# Altium PCB master.PcbDoc (part 1 of 5) (continued)
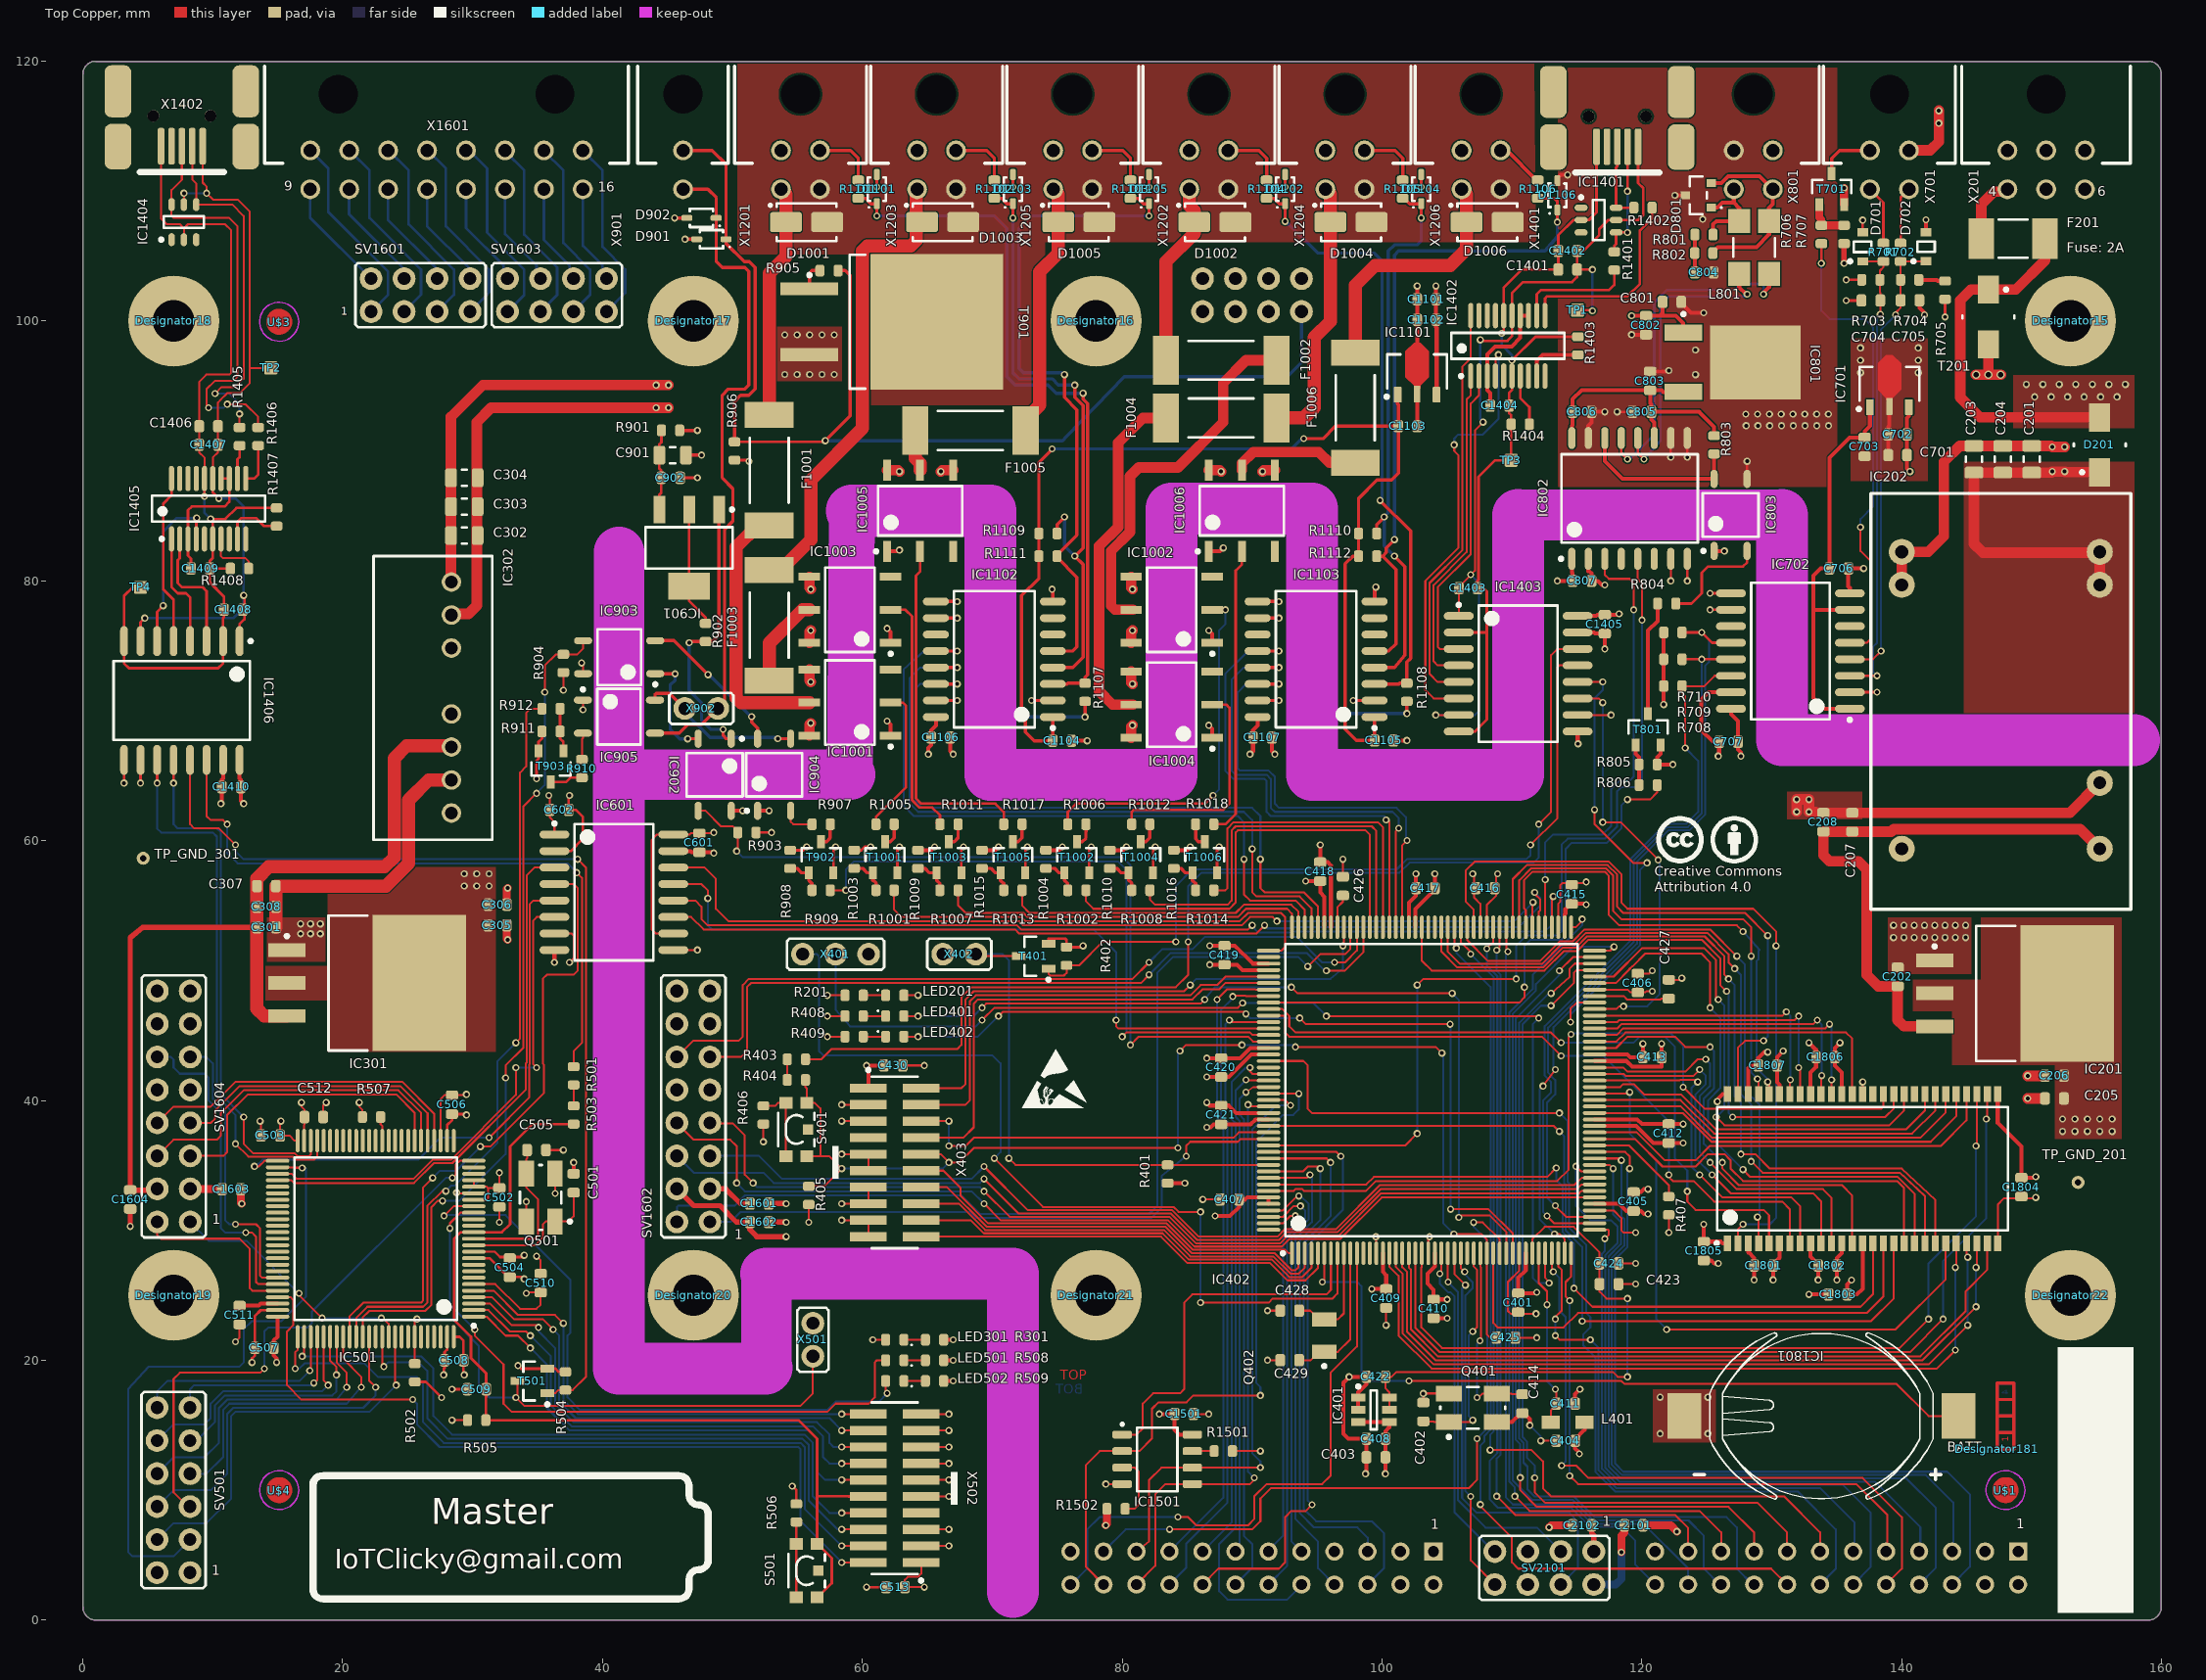
[diagram p0: Top Copper view]
## Components (designator, comment, footprint, x,y, rotation, side; value= is the part's Value field where it differs from the comment) (continued)
IC1406 "ADUM3401CRWZ" ADI-RW-16_N 7.62,70.788 r270 top locked
IC1501 "M95M02-DRMN6TP" SOIC127P600X175-8N 82.709,12.368 r0 top locked
IC1801 "IS42S16400J-7TLI" TSOP80P1180X120-54N 137.001,34.751 r90 top locked
JP2201 "SLW-112-01-T-D" SMTC-SLW-112-01-X-D 103.97,5.269 r180 bottom locked
JP2202 "SLW-112-01-T-D" SMTC-SLW-112-01-X-D 148.972,5.272 r180 bottom locked
L401 "BLM21AG471SN1J" MURA-BLM21-H1-CHIP-2_V 114.3,15.225 r180 top locked
L801 "51uH" B82789C0/S0 128.651,105.664 r270 top locked
LED201 "orange" LEDC1608X07N 62.5,48.086 r0 top locked
LED301 "orange" LEDC1608X07N 62.5,21.575 r180 top locked
LED401 "red" LEDC1608X07N 62.5,46.499 r0 top locked
LED402 "green" LEDC1608X07N 62.5,44.911 r0 top locked
LED501 "red" LEDC1608X07N 62.5,19.988 r180 top locked
LED502 "green" LEDC1608X07N 62.5,18.4 r180 top locked
Q401 "7B-8.000MAAJ-T" TXC-7B-4_V 106.998,16.336 r0 top locked
Q402 "ABS07-32.768KHz-T" ABRA-ABS07-2_V 95.557,21.894 r90 top locked
Q501 "7B-8.000MAAJ-T" TXC-7B-4_V 35.242,32.529 r90 top locked
R201 "130R" RESC1608X05N 59.372,48.086 r0 top locked
R301 "130R" RESC1608X05N 65.564,21.575 r0 top locked
R401 "10k" RESC1608X05N 83.502,34.334 r90 top locked
R402 "10k" RESC1608X05N 75.724,51.103 r90 top locked
R403 "0R" RESC1608X05N 54.927,43.165 r0 top locked
R404 "680R" RESC1608X05N 54.927,41.578 r180 top locked
R405 "10k" RESC1608X05N 55.88,32.688 r270 top locked
R406 "0R" RESC1608X05N 52.387,38.879 r90 top locked
R407 "10k" RESC1608X05N 122.079,31.894 r90 top locked
R408 "130R" RESC1608X05N 59.372,46.499 r0 top locked
R409 "130R" RESC1608X05N 59.372,44.911 r0 top locked
R501 "0R" RESC1608X05N 37.782,41.895 r90 top locked
R502 "10k" RESC1608X05N 25.559,19.035 r90 top locked
R503 "680R" RESC1608X05N 37.782,38.879 r90 top locked
R504 "10k" RESC1608X05N 37.148,18.4 r90 top locked
R505 "10k" RESC1608X05N 30.321,15.384 r180 top locked
R506 "0R" RESC1608X05N 54.927,8.24 r270 top locked
R507 "10k" RESC1608X05N 22.225,38.72 r0 top locked
R508 "130R" RESC1608X05N 65.564,19.988 r180 top locked
R509 "130R" RESC1608X05N 65.564,18.4 r180 top locked
R701 "1k5" RESC1608X05N 138.608,105.298 r90 top locked
R702 "1k5" RESC1608X05N 139.929,105.3 r90 top locked
R703 "680R" RESC1608X05N 137.636,103.173 r0 top
R704 "680R" RESC1608X05N 140.629,103.173 r180 top locked
R705 "0R" RESC1608X05N 143.351,102.379 r90 top locked
R706 "10R" RESC1608X05N 133.826,106.665 r90 top locked
R707 "10k" RESC1608X05N 135.572,106.665 r270 top locked
R708 "10k" RESC1608X05N 122.396,71.899 r0 top locked
R709 "10k" RESC1608X05N 122.396,73.963 r0 top locked
R710 "10k" RESC1608X05N 122.396,76.026 r0 top locked
R801 "62R" RESC1608X05N 124.79,106.655 r180 top
R802 "62R" RESC1608X05N 124.777,105.232 r0 top
R803 "10k" RESC1608X05N 125.571,90.473 r270 top locked
R804 "430R" RESC1608X05N 121.92,78.249 r180 top locked
R805 "10k" RESC1608X05N 120.491,65.866 r0 top locked
R806 "10R" RESC1608X05N 120.491,64.279 r0 top locked
R901 "10R" RESC1608X05N 45.244,91.584 r0 top
R902 "120R" RESC1608X05N 47.942,76.026 r90 top locked
R903 "10k" RESC1608X05N 51.117,60.628 r180 top locked
R904 "10k" RESC1608X05N 36.989,73.645 r90 top locked
R905 "10R" RESC1608X05N 57.437,103.886 r180 top locked
R906 "330R" RESC1608X05N 50.165,89.996 r90 top locked
R907 "430R" RESC1608X05N 56.832,61.263 r180 top locked
R908 "10k" RESC1608X05N 54.451,58.564 r90 top locked
R909 "10R" RESC1608X05N 56.832,56.183 r0 top locked
R910 "430R" RESC1608X05N 38.417,65.549 r90 top locked
R911 "10k" RESC1608X05N 36.036,68.406 r180 top locked
R912 "10R" RESC1608X05N 36.036,70.153 r180 top locked
R1001 "10R" RESC1608X05N 61.754,56.183 r0 top locked
R1002 "10R" RESC1608X05N 76.517,56.183 r0 top locked
R1003 "10k" RESC1608X05N 59.372,58.564 r270 top locked
R1004 "10k" RESC1608X05N 74.136,58.564 r270 top locked
R1005 "430R" RESC1608X05N 61.754,61.263 r180 top locked
R1006 "430R" RESC1608X05N 76.517,61.263 r180 top locked
R1007 "10R" RESC1608X05N 66.675,56.183 r0 top locked
R1008 "10R" RESC1608X05N 81.439,56.183 r0 top locked
R1009 "10k" RESC1608X05N 64.294,58.564 r270 top locked
R1010 "10k" RESC1608X05N 79.057,58.564 r270 top locked
R1011 "430R" RESC1608X05N 66.675,61.263 r180 top locked
R1012 "430R" RESC1608X05N 81.439,61.263 r180 top locked
R1013 "10R" RESC1608X05N 71.596,56.183 r0 top locked
R1014 "10R" RESC1608X05N 86.36,56.183 r0 top locked
R1015 "10k" RESC1608X05N 69.215,58.564 r270 top locked
R1016 "10k" RESC1608X05N 83.979,58.564 r270 top locked
R1017 "430R" RESC1608X05N 71.596,61.263 r180 top locked
R1018 "430R" RESC1608X05N 86.36,61.263 r0 top locked
R1101 "47R" RESC1608X05N 59.69,110.158 r270 top locked
R1102 "47R" RESC1608X05N 70.168,110.158 r270 top locked
R1103 "47R" RESC1608X05N 80.645,110.158 r270 top locked
R1104 "47R" RESC1608X05N 91.123,110.158 r90 top locked
R1105 "47R" RESC1608X05N 101.6,110.158 r90 top locked
R1106 "47R" RESC1608X05N 111.998,110.158 r90 top locked
R1107 "10k" RESC1608X05N 77.153,71.423 r270 top locked
R1108 "10k" RESC1608X05N 101.917,71.423 r270 top locked
R1109 "10k" RESC1608X05N 74.295,83.646 r180 top locked
R1110 "10k" RESC1608X05N 98.901,83.646 r180 top locked
R1111 "10k" RESC1608X05N 74.295,81.9 r180 top locked
R1112 "10k" RESC1608X05N 98.901,81.9 r180 top locked
R1401 "27R" RESC1608X05N 117.885,104.627 r90 top locked
R1402 "27R" RESC1608X05N 120.095,108.729 r180 top locked
R1403 "0R" RESC1608X05N 115.094,98.093 r90 top locked
R1404 "0R" RESC1608X05N 110.649,92.06 r180 top locked
R1405 "27R" RESC1608X05N 12.065,91.108 r90 top locked
R1406 "27R" RESC1608X05N 13.494,91.108 r90 top locked
R1407 "0R" RESC1608X05N 14.922,84.916 r90 top locked
R1408 "0R" RESC1608X05N 12.065,80.948 r180 top locked
R1501 "10k" RESC1608X05N 87.789,13.003 r0 top locked
R1502 "10k" RESC1608X05N 79.534,8.558 r180 top locked
S401 "KMR221GLFS" KMR2_Series 54.927,37.768 r270 top locked
S501 "KMR221GLFS" KMR2_Series 55.721,3.795 r270 top locked
SV501 "samtec_TSW-106-07-G-D" Pinheader_2.54_2x6 6.985,10 r90 top locked
SV901 "samtec_SLW-104-01-G-D" SLW_104_01_G_D 90,102 r180 bottom
SV1601 "samtec_TSW-104-07-G-D" Pinheader_2.54_2x4 26,102 r0 top locked
SV1602 "samtec_TSW-108-07-G-D" Pinheader_2.54_2x8 47,39.54 r90 top locked
SV1603 "samtec_TSW-104-07-G-D" Pinheader_2.54_2x4 36.5,102 r0 top locked
SV1604 "samtec_TSW-108-07-G-D" Pinheader_2.54_2x8 7,39.54 r90 top locked
SV2101 "samtec_TSW-104-07-G-D" Pinheader_2.54_2x4 112.5,4 r180 top locked
T201 "TISP4040H1BJR-S" SMB 146.685,100.315 r270 top locked
T401 "BSS84P" INF-PG-SOT23_N 73.184,51.103 r180 top locked
T501 "BSS84P" INF-PG-SOT23_N 34.608,18.4 r180 top locked
T701 "IRLML0100TRPBF" SOT95P237X110-3N 134.62,110.158 r90 top locked
T801 "IRLML0100TRPBF" SOT95P237X110-3N 120.491,68.565 r90 top locked
T901 "BUK964R8-60E,118" NXP-SOT404_M 62.23,99.949 r0 top
T902 "IRLML0100TRPBF" SOT95P237X110-3N 56.832,58.723 r90 top locked
T903 "IRLML0100TRPBF" SOT95P237X110-3N 36.036,65.708 r270 top locked
T1001 "IRLML0100TRPBF" SOT95P237X110-3N 61.754,58.723 r90 top locked
T1002 "IRLML0100TRPBF" SOT95P237X110-3N 76.517,58.723 r90 top locked
T1003 "IRLML0100TRPBF" SOT95P237X110-3N 66.675,58.723 r90 top locked
T1004 "IRLML0100TRPBF" SOT95P237X110-3N 81.439,58.723 r90 top locked
T1005 "IRLML0100TRPBF" SOT95P237X110-3N 71.596,58.723 r90 top locked
T1006 "IRLML0100TRPBF" SOT95P237X110-3N 86.36,58.723 r90 top locked
TP1 "Testpoint_Square" Testpoint_S1 115.062,100.838 r90 top locked
TP2 "Testpoint_Square" Testpoint_S1 14.478,96.393 r90 top locked
TP3 "Testpoint_Square" Testpoint_S1 109.949,89.281 r90 top
TP4 "Testpoint_Square" Testpoint_S1 4.445,79.502 r90 top locked
TP_GND_201 "Testpoint_Round" Testpoint_D1V 153.587,33.686 r0 top locked
TP_GND_301 "Testpoint_Round" Testpoint_D1V 4.65,58.645 r270 top locked
U$1 "" FIDUCIAL_1MM 148,10 r0 top
U$3 "" FIDUCIAL_1MM 15.113,99.949 r0 top
U$4 "" FIDUCIAL_1MM 15.113,10 r0 top
X201 "molex_microfit_3_03x2_THT" MOLEX_MICROFIT_03x2_THT 151.13,117.46 r0 top
X401 "samtec_TSW-103-07-G-S" Pinheader_2.54_3 57.944,51.261 r180 top locked
X402 "samtec_TSW-102-07-G-S" Pinheader_2.54_2 67.469,51.261 r0 top
X403 "FTSH-110-01-L-DV-007-K-P" CORTEX_DEBUG_20_PIN 62.5,35.228 r0 top locked
X501 "samtec_TSW-102-07-G-S" Pinheader_2.54_2 56.197,21.575 r270 top
X502 "FTSH-110-01-L-DV-007-K-P" CORTEX_DEBUG_20_PIN 62.5,10.145 r180 top locked
X701 "molex_microfit_3_02x2_THT" MOLEX_MICROFIT_02x2_THT 139.065,117.46 r0 top
X801 "molex_microfit_3_02x2_THT" MOLEX_MICROFIT_02x2_THT 128.588,117.46 r0 top
X901 "molex_microfit_3_01x2_THT" MOLEX_MICROFIT_01x2_THT 46.2,117.46 r0 top
X902 "samtec_TSW-102-07-G-S" Pinheader_2.54_2 47.61,70.177 r180 top
X1201 "molex_microfit_3_02x2_THT" MOLEX_MICROFIT_02x2_THT 55.245,117.46 r0 top
X1202 "molex_microfit_3_02x2_THT" MOLEX_MICROFIT_02x2_THT 86.677,117.46 r0 top
X1203 "molex_microfit_3_02x2_THT" MOLEX_MICROFIT_02x2_THT 65.722,117.46 r0 top
X1204 "molex_microfit_3_02x2_THT" MOLEX_MICROFIT_02x2_THT 97.155,117.46 r0 top
X1205 "molex_microfit_3_02x2_THT" MOLEX_MICROFIT_02x2_THT 76.2,117.46 r0 top
X1206 "molex_microfit_3_02x2_THT" MOLEX_MICROFIT_02x2_THT 107.632,117.46 r0 top
X1401 "67503-1020" MOLX-67503-1020_V 119.72,113.423 r270 top
X1402 "67503-1020" MOLX-67503-1020_V 9.225,113.464 r270 top
X1601 "molex_microfit_3_08x2_THT" MOLEX_MICROFIT_08x2_THT 28,117.46 r0 top locked

## Footprints (in the part's own frame and the unit in brackets; to place one, negate y for a bottom-side part, rotate by r counter-clockwise, add the part's x,y. Pads: shape width x height; smd on the part's side, far side on the other; paste and mask are expansions set on the pad)
ABRA-ABS07-2_V [mm] "Hand Drawn, 2-Leads, Body 3.2x1.5mm, Pitch 2.5mm"
  rect 1.1x1.9 smd: 1(-1.25,0) 2(1.25,0)
  silkscreen extent -2.47,-0.13 -2.23,0.12, body extent -1.6,-0.75 1.6,0.75, height 0.9
ADI-RJ-6_N [mm] "SOT23, 6-Leads, Body 2.9x1.6mm, Pitch 0.95mm, IPC Medium Density"
  rect 1.1x0.6 smd: 1(-1.2,0.95) 2(-1.2,0) 3(-1.2,-0.95) 4(1.2,-0.95) 5(1.2,0) 6(1.2,0.95)
  silkscreen extent -1.32,-1.5 0.25,1.92, body extent -0.85,-1.5 0.85,1.5, height 1.45
ADI-RW-16_L [mm] "SOIC, 16-Leads, Body 10.3x7.5mm, Pitch 1.27mm, IPC High Density"
  oval 2x0.6 smd: 1(-4.5,4.445) 2(-4.5,3.175) 3(-4.5,1.905) 4(-4.5,0.635) 5(-4.5,-0.635) 6(-4.5,-1.905) 7(-4.5,-3.175) 8(-4.5,-4.445) 9(4.5,-4.445) 10(4.5,-3.175) 11(4.5,-1.905) 12(4.5,-0.635) 13(4.5,0.635) 14(4.5,1.905) 15(4.5,3.175) 16(4.5,4.445)
  silkscreen extent -4.63,-5.25 3.1,5.42, body extent -3.8,-5.25 3.8,5.25, height 2.65
ADI-RW-16_N [mm] "SOIC, 16-Leads, Body 10.3x7.5mm, Pitch 1.27mm, IPC Medium Density"
  oval 2.3x0.6 smd: 1(-4.575,4.445) 2(-4.575,3.175) 3(-4.575,1.905) 4(-4.575,0.635) 5(-4.575,-0.635) 6(-4.575,-1.905) 7(-4.575,-3.175) 8(-4.575,-4.445) 9(4.575,-4.445) 10(4.575,-3.175) 11(4.575,-1.905) 12(4.575,-0.635) 13(4.575,0.635) 14(4.575,1.905) 15(4.575,3.175) 16(4.575,4.445)
  silkscreen extent -4.7,-5.25 3.03,5.42, body extent -3.8,-5.25 3.8,5.25, height 2.65
B82789C0/S0 [mm] "SIMDAD 1812, common-mode chokes"
  rect 1.85x1.7 smd: 1(-2.025,1.15) 2(2.025,1.15) 3(2.025,-1.15) 4(-2.025,-1.15)
  silkscreen extent -0.7,-1.6 0.7,1.6, body extent -2.6,-1.6 2.6,1.6, height 3
CAPC1608X08N [mm] "Chip Capacitor, 2-Leads, Body 1,60x0,80mm, IPC Medium Density"
  rrect50% 0.75x0.95 smd: 1(-0.725,0) 2(0.725,0)
  body extent -0.85,-0.45 0.85,0.45, height 0.8
CAPC2012X14N [mm] "Chip Capacitor, 2-Leads, Body 2,00x1,25mm, IPC Medium Density"
  rrect40% 0.9x1.45 smd: 1(-1.025,0) 2(1.025,0)
  silkscreen extent -0.2,-0.63 0.2,0.63, body extent -1.1,-0.72 1.1,0.72, height 1.45
CORTEX_DEBUG_20_PIN [mm] "ARM Cortex Debug Connector 20 Pin"
  rect 2.8x0.7 smd: 1(-2.035,5.715) 2(2.035,5.715) 3(-2.035,4.445) 4(2.035,4.445) 5(-2.035,3.175) 6(2.035,3.175) 7(-2.035,1.905) 8(2.035,1.905) 9(-2.035,0.635) 10(2.035,0.635) 11(-2.035,-0.635) 12(2.035,-0.635) 13(-2.035,-1.905) 14(2.035,-1.905) 15(-2.035,-3.175) 16(2.035,-3.175) 17(-2.035,-4.445) 18(2.035,-4.445) 19(-2.035,-5.715) 20(2.035,-5.715)
  silkscreen extent -4.83,-6.6 1.78,7.24, body extent -2.92,-6.35 2.92,6.35, height 6.98
DIOM4326X24N [mm] "Molded Diode, 2-Leads, Body 4,30x2,60mm, IPC Medium Density, SMA, DO-214AC"
  rrect25% 2.45x1.55 smd: 1(-1.6,0) 2(1.575,0)
  silkscreen extent -2.9,-1.45 2.3,1.45, body extent -2.52,-1.45 2.52,1.45, height 2.4
DPAK228P950X240-3N [mm] "D-PAK, 3-Pads, Body 6,25x6,76mm (max), IPC Medium Density"
  rect 2.9x1.25 smd: 1(-3.8,2.28) 3(-3.8,-2.28)
  rect 7x5.7 smd: 2(1.75,0)
  silkscreen extent -3.91,3.58 -3.66,3.83, body extent -4.25,-3.4 5.25,3.4, height 2.4
FIDUCIAL_1MM [mm] "FIDUCIAL_1MM"
  Top Copper circle w1: c0,0 r0.5
  Top Copper keep-out circle w0.1: c0,0 r1.5
Hole_3.2_Iso#1 [mm]
  round 7 hole 3.2: Hole_3.2_4(0,0)
Hole_3.2_Iso#2 [mm]
  round 7 hole 3.2: Hole_3.2_3(0,0)
Hole_3.2_Iso#3 [mm]
  round 7 hole 3.2: Hole_3.2_2(0,0)
Hole_3.2_Iso#4 [mm]
  round 7 hole 3.2: Hole_3.2_1(0,0)
Hole_3.2_Iso#5 [mm]
  round 7 hole 3.2: Hole_3.2_5(0,0)
Hole_3.2_Iso#6 [mm]
  round 7 hole 3.2: Hole_3.2_6(0,0)
Hole_3.2_Iso#7 [mm]
  round 7 hole 3.2: Hole_3.2_7(0,0)
Hole_3.2_Iso#8 [mm]
  round 7 hole 3.2: Hole_3.2_8(0,0)
INF-PG-SOT23_N [mm] "SOT23, 3-Leads, Body 2.9x1.3mm, Pitch 0.95mm, IPC Medium Density"
  rect 1.05x0.6 smd: 1(-1.15,0.95) 2(-1.15,-0.95) 3(1.15,0)
  silkscreen extent -1.28,-1.5 0.7,1.92, body extent -0.7,-1.5 0.7,1.5, height 1.1
KMR2_Series [mil] "Microminiature Tact Switch for SMT"
  rect 35.43x39.37 smd: 1(-80.71,-31.5) 2(80.71,-31.5) 3(80.71,31.5) 4(-80.71,31.5)
  rect 31.5x31.5 smd: 5(0,35.43)
  silkscreen extent -50,-55 50,55, body extent -91,-55 91,55, height 76
KTT0003B_N [mm] "D2-PAK, 3-Leads, Body 10.41x8.89mm, Pitch 2.54mm, IPC Medium Density"
  rect 2.85x1.05 smd: 1(-6.2,2.54) 2(-6.2,0) 3(-6.2,-2.54)
  rect 7.2x10.5 smd: 4(4,0)
  silkscreen extent -6.32,-5.2 0,5.2, body extent -6.78,-5.2 7.57,5.2, height 4.64
layermarker4 [mm] "Marker for a 4 layerstack"
  Top Copper lines w0.254: 1.27,0 2.54,0 ; 1.27,0 0,0 0,-1.27 1.27,-1.27 ; 1.27,0 1.27,-1.27 ; 2.54,0 3.81,0 ; 2.54,0 2.54,-1.27 ; 3.81,0 5.08,0 5.08,-1.27 3.81,-1.27 ; 3.81,0 3.81,-1.27 ; 1.27,-1.27 2.54,-1.27 ; 2.54,-1.27 3.81,-1.27
  Signal Layer 1 lines w0.254: 1.27,0 1.27,-1.27 ; 1.27,0 0,0 0,-1.27 1.27,-1.27 ; 1.27,0 2.54,0 ; 2.54,0 3.81,0 ; 2.54,0 2.54,-1.27 ; 3.81,0 3.81,-1.27 ; 3.81,0 5.08,0 5.08,-1.27 3.81,-1.27 ; 1.27,-1.27 2.54,-1.27 ; 2.54,-1.27 3.81,-1.27
  Signal Layer 2 lines w0.254: 1.27,0 1.27,-1.27 ; 1.27,0 2.54,0 ; 1.27,0 0,0 0,-1.27 1.27,-1.27 ; 2.54,0 3.81,0 ; 2.54,0 2.54,-1.27 ; 3.81,0 3.81,-1.27 ; 3.81,0 5.08,0 5.08,-1.27 3.81,-1.27 ; 1.27,-1.27 2.54,-1.27 ; 2.54,-1.27 3.81,-1.27
  Bot Copper lines w0.254: 1.27,0 1.27,-1.27 ; 1.27,0 2.54,0 ; 1.27,0 0,0 0,-1.27 1.27,-1.27 ; 2.54,0 3.81,0 ; 2.54,0 2.54,-1.27 ; 3.81,0 3.81,-1.27 ; 3.81,0 5.08,0 5.08,-1.27 3.81,-1.27 ; 1.27,-1.27 2.54,-1.27 ; 2.54,-1.27 3.81,-1.27
LEDC1608X07N [mm] "LED, 2-Leads, Body 1,60x0,80mm, IPC Medium Density"
  rrect50% 0.7x0.9 smd: 1(-0.7,0) 2(0.7,0)
  silkscreen extent -1.35,0.35 -1.25,0.45, body extent -0.8,-0.4 0.8,0.4, height 0.7
LITTLEFUSE_452_454 [mm] "Littlefuse 452/454 Series Fuse, 2-Leads, Body 6,10x2,69mm, IPC Medium Density"
  rect 1.96x3.15 smd: 1(-2.45,0) 2(2.45,0)
  silkscreen extent -1.1,-1.47 1.1,1.48, body extent -3.15,-1.47 3.15,1.47, height 2.94
MOLEX_MICROFIT_01x2_THT [mil] "Micro-Fit 3.0 Right Angle Header, 3.00mm Pitch, Dual Row, 2 Circuits, with Snap-in Plastic Peg PCB Lock, Tin, Glow Wire Capable, Black, 43045-0200"
  round 60 hole 40: 1(0,-170) 2(0,-287.99)
  round 39.37 hole 117.99 unplated paste+0 mask+4: ""(0,0)
  silkscreen extent -137,-209 137,85, body extent -141,-301 141,181, height 345
MOLEX_MICROFIT_02x2_THT [mil] "Micro-Fit 3.0 Right Angle Header, 3.00mm Pitch, Dual Row, 4 Circuits, with Snap-in Plastic Peg PCB Lock, Tin, Glow Wire Capable, Black, 43045-0400"
  round 60 hole 40: 1(-59.02,-170) 2(59.02,-170) 3(-59.02,-287.99) 4(59.02,-287.99)
  round 39.37 hole 117.99 unplated paste+0 mask+4: ""(0,0)
  silkscreen extent -200,-209 200,85, body extent -200,-301 200,181, height 345
MOLEX_MICROFIT_03x2_THT [mil] "Micro-Fit 3.0 Right Angle Header, 3.00mm Pitch, Dual Row, 6 Circuits, with Snap-in Plastic Peg PCB Lock, Tin, Glow Wire Capable, Black, 43045-0600"
  round 60 hole 40: 1(-117.48,-170) 2(0,-170) 3(117.48,-170) 4(-117.48,-287.99) 5(0,-287.99) 6(117.48,-287.99)
  round 39.37 hole 117.99 unplated paste+0 mask+4: ""(0,0)
  silkscreen extent -256,-209 255,85, body extent -259,-301 259,181, height 345
MOLEX_MICROFIT_08x2_THT [mil] "Micro-Fit 3.0 Right Angle Header, 3.00mm Pitch, Dual Row, 16 Circuits, with Snap-in Plastic Peg PCB Lock, Tin, Glow Wire Capable, Black, 43045-1600"
  round 60 hole 40: 1(-412.99,-170) 2(-295,-170) 3(-177.01,-170) 4(-59.02,-170) 5(59.02,-170) 6(177.01,-170) 7(295,-170) 8(412.99,-170) 9(-412.99,-287.99) 10(-295,-287.99) 11(-177.01,-287.99) 12(-59.02,-287.99) 13(59.02,-287.99) 14(177.01,-287.99) 15(295,-287.99) 16(412.99,-287.99)
  round 39.37 hole 117.99 unplated paste+0 mask+4: ""(-328.5,0) ""(328.5,0)
  silkscreen extent -551,-209 551,85, body extent -554,-301 554,181, height 345
MOLX-67503-1020_V [mm] "Mini USB Connector, SMT, Righer Angle"
  rrect50% 2.8x0.5 smd: 1(0,0) 2(0,-0.8) 3(0,-1.6) 4(0,-2.4) 5(0,-3.2)
  rrect50% 3.5x2.05 smd: 6(0.025,3.325) 8(0.025,-6.525)
  rrect50% 4x2.05 smd: 7(-4.225,3.325) 9(-4.225,-6.525)
  round 0.9 hole 0.9 unplated: X(-2.325,-3.8) Y(-2.325,0.6)
  silkscreen extent 2,-4.85 2,1.65, body extent -8.22,-6.56 0.78,3.34, height 3.95
MURA-BLM21-H1-CHIP-2_V [mm] "Chip Ferrite Bead, 2-Leads, Body 2x1.25mm, Height 1.05mm"
  rect 1.4x1 smd: 1(-1.3,0) 2(1.3,0)
  body extent -1,-0.63 1,0.63, height 1.05
NCS6S1205C [mm] "Isolated 6W 4:1 Input Single Output DC/DC Converter"
  round 2 hole 1: 2(-11.5,-7.62) 3(-8.96,-7.62) 11(11.36,-7.62) 14(11.36,7.62) 16(6.28,7.62) 22(-8.96,7.62) 23(-11.5,7.62)
  silkscreen extent -16,-10 16,10, body extent -16,-10 16,10, height 10.62
NXP-SOIC-16_L [mm] "SOIC, 16-Leads, Body 10.5x7.6mm, Pitch 1.27mm, IPC High Density"
  oval 1.7x0.55 smd: 1(-4.65,4.445) 2(-4.65,3.175) 3(-4.65,1.905) 4(-4.65,0.635) 5(-4.65,-0.635) 6(-4.65,-1.905) 7(-4.65,-3.175) 8(-4.65,-4.445) 9(4.65,-4.445) 10(4.65,-3.175) 11(4.65,-1.905) 12(4.65,-0.635) 13(4.65,0.635) 14(4.65,1.905) 15(4.65,3.175) 16(4.65,4.445)
  silkscreen extent -4.77,-5.25 3.4,5.39, body extent -5.16,-5.25 5.16,5.25, height 2.65
NXP-SOT23-3_V [mm] "SOT23, 3-Leads, Body 1.3x2.9mm, Pitch 0.95mm"
  rect 0.6x0.7 smd paste-0.05: 1(0.95,1) 2(-0.95,1) 3(0,-1)
  silkscreen extent -1.45,-0.65 1.45,1.79, body extent -1.45,-0.65 1.45,0.65, height 1.1
NXP-SOT404_M [mm] "DPAK, 3-Leads, Body 10.3x9.8mm, Pitch 2.54mm, IPC Low Density"
  rect 4.45x1 smd: 1(-6.3,2.54) 3(-6.3,-2.54)
  rect 10.2x10.45 smd: 4(3.5,0)
  silkscreen extent -6.42,-5.15 -2,5.15, body extent -3.2,-5.15 6.6,5.15, height 4.5
ONSC-SOD-323-2-477-02_V [mm] "SOD, 2-Leads, Body 1.7x1.25mm"
  rect 0.63x0.83 smd: 1(-1.115,0) 2(1.115,0)
  silkscreen extent -1.24,-0.67 0.4,1.09, body extent -0.85,-0.63 0.85,0.63, height 1.06
Pinheader_2.54_2 [mm] "Pinheader, 2.54mm, gerade"
  round 1.75 hole 1: 1(-1.27,0) 2(1.27,0)
  silkscreen extent -2.47,-1.2 2.47,1.2, body extent -2.54,-1.27 2.54,1.27, height 8.74
Pinheader_2.54_2x4 [mm] "Pinheader, 2.54mm, gerade, 2-reihig"
  round 1.75 hole 1: 1(-3.81,-1.27) 2(-3.81,1.27) 3(-1.27,-1.27) 4(-1.27,1.27) 5(1.27,-1.27) 6(1.27,1.27) 7(3.81,-1.27) 8(3.81,1.27)
  silkscreen extent -5.01,-2.47 5.01,2.47, body extent -5.08,-2.54 5.08,2.54, height 8.74
Pinheader_2.54_2x6 [mm] "Pinheader, 2.54mm, gerade, 2-reihig"
  round 1.75 hole 1: 1(-6.35,-1.27) 2(-6.35,1.27) 3(-3.81,-1.27) 4(-3.81,1.27) 5(-1.27,-1.27) 6(-1.27,1.27) 7(1.27,-1.27) 8(1.27,1.27) 9(3.81,-1.27) 10(3.81,1.27) 11(6.35,-1.27) 12(6.35,1.27)
  silkscreen extent -7.55,-2.47 7.55,2.47, body extent -7.62,-2.54 7.62,2.54, height 8.74
Pinheader_2.54_2x8 [mm] "Pinheader, 2.54mm, gerade, 2-reihig"
  round 1.75 hole 1: 1(-8.89,-1.27) 2(-8.89,1.27) 3(-6.35,-1.27) 4(-6.35,1.27) 5(-3.81,-1.27) 6(-3.81,1.27) 7(-1.27,-1.27) 8(-1.27,1.27) 9(1.27,-1.27) 10(1.27,1.27) 11(3.81,-1.27) 12(3.81,1.27) 13(6.35,-1.27) 14(6.35,1.27) 15(8.89,-1.27) 16(8.89,1.27)
  silkscreen extent -10.09,-2.47 10.09,2.47, body extent -10.16,-2.54 10.16,2.54, height 8.74
Pinheader_2.54_3 [mm] "Pinheader, 2.54mm, gerade"
  round 1.75 hole 1: 1(-2.54,0) 2(0,0) 3(2.54,0)
  silkscreen extent -3.74,-1.2 3.74,1.2, body extent -3.81,-1.27 3.81,1.27, height 8.74
PK0003A_L [mm] "SOT89, 3-Leads, Body 4.6x2.6mm, Pitch 1.5mm, IPC High Density"
  rrect17% 1.2x0.6 smd: 1(-1.7,1.5) 3(-1.7,-1.5)
  rrect20% 1.3x0.5 smd: 2(-1.65,0)
  Top Copper region: -1,0.25 -0.35,0.9 1.65,0.9 2.3,0.25 2.3,-0.25 1.65,-0.9 -0.35,-0.9 -1,-0.25 -1.2,-0.25 -1.2,0.25
  silkscreen extent -1.97,-2.3 1.4,2.47, body extent -2.19,-2.3 2.19,2.3, height 1.6
RECOM_RS-S_D [mm] "Recom DC/DC Converter"
  round 1.5 hole 1: 1(2,6) 2(4.54,6) 3(7.08,6) 5(12.16,6) 6(14.7,6) 7(17.24,6) 8(19.78,6)
  silkscreen extent 0,0 21.84,9.14, body extent 0,0 21.8,9.2, height 11.1
RESC1608X05N [mm] "Chip Resistor, 2-Leads, Body 1,60x0,80mm, IPC Medium Density"
  rrect50% 0.7x0.9 smd: 1(-0.7,0) 2(0.7,0)
  body extent -0.85,-0.45 0.85,0.45, height 0.45
Schurter_UMT_250 [mm] "Schurter UMT 250 Series Fuse"
  rect 2x3.75 smd: 1(-4.25,0) 2(4.25,0)
  silkscreen extent -2.5,-1.5 2.5,1.5, body extent -5.05,-1.5 5.05,1.5, height 3
SLW_104_01_G_D [mm] "Board-To-Board Connector, Dual, 2.54 mm, 8 Contacts, Receptacle, SLW Series, Through Hole, 2 Rows"
  round 1.75 hole 1: 1(-3.81,-1.27) 2(-3.81,1.27) 3(-1.27,-1.27) 4(-1.27,1.27) 5(1.27,-1.27) 6(1.27,1.27) 7(3.81,-1.27) 8(3.81,1.27)
  silkscreen extent -5.01,-2.47 5.01,2.47, body extent -5.08,-2.48 5.08,2.48, height 4.57
SMB [mm] "SMB Diode footprint"
  rect 2.18x1.62 smd: 1(-2.11,0) 2(2.11,0)
  silkscreen extent -2.23,-2 0.1,2, body extent -2.88,-1.97 2.88,1.97, height 2.45
SMTC-SLW-112-01-X-D [mm] "Low Profile Socket Strip, 2x12 Pins, Vertical, 2.54mm Pitch, Female"
  rect 1.4x1.4 hole 0.86: 1(0,0)
  round 1.4 hole 0.86: 2(0,-2.54) 3(2.54,0) 4(2.54,-2.54) 5(5.08,0) 6(5.08,-2.54) 7(7.62,0) 8(7.62,-2.54) 9(10.16,0) 10(10.16,-2.54) 11(12.7,0) 12(12.7,-2.54) 13(15.24,0) 14(15.24,-2.54) 15(17.78,0) 16(17.78,-2.54) 17(20.32,0) 18(20.32,-2.54) 19(22.86,0) 20(22.86,-2.54) 21(25.4,0) 22(25.4,-2.54) 23(27.94,0) 24(27.94,-2.54)
  silkscreen extent -1.4,-3.74 29.34,1.2, body extent -1.27,-3.75 29.21,1.21, height 4.57
SMTU_1225-1-LF [mm] "Renata SMTU 1225-1-LF"
  rect 2.6x3.5 smd: +(-10.55,0) -(10.55,0)
  silkscreen extent -9.2,-6.4 9.8,6.4, body extent -11.5,-6.4 11.5,6.4, height 4.8
SODFL250X110-2N [mm] "SODFL, 2-Leads, Body 1,25x2,50mm, IPC Medium Density, SOD323"
  rrect50% 0.85x0.45 smd: 1(-1.125,0) 2(1.125,0)
  silkscreen extent -1.45,-0.7 0.9,0.7, body extent -1.25,-0.67 1.25,0.67, height 1.1
SOIC127P600X175-8N [mm] "SOIC, 8-Leads, Body 4,90x3,90mm, Pitch 1,27mm, IPC Medium Density"
  rrect50% 1.5x0.6 smd: 1(-2.7,1.905) 2(-2.7,0.635) 3(-2.7,-0.635) 4(-2.7,-1.905) 5(2.7,-1.905) 6(2.7,-0.635) 7(2.7,0.635) 8(2.7,1.905)
  silkscreen extent -2.8,-2.45 1.55,2.8, body extent -3,-2.45 3,2.45, height 1.75
SOP254P610X218-4N [mm] "SOP, 4-Leads, Body 4,09x3,81mm, Pitch 2,54mm, IPC Medium Density"
  oval 1.4x0.55 smd: 1(-2.775,1.27) 2(-2.775,-1.27) 3(2.775,-1.27) 4(2.775,1.27)
  silkscreen extent -2.9,-2.15 1.68,2.22, body extent -3.05,-2.15 3.05,2.15, height 2.18
SOP254P680X220-6N [mm] "SOP, 6-Leads, Body 6,30x4,40mm, Pitch 2,54mm, IPC Medium Density"
  rect 1.65x0.6 smd: 1(-3.125,2.54) 2(-3.125,0) 3(-3.125,-2.54) 4(3.125,-2.54) 5(3.125,0) 6(3.125,2.54)
  silkscreen extent -3.25,-3.25 1.9,3.51, body extent -3.4,-3.25 3.4,3.25, height 2.2
SOT95P237X110-3N [mm] "SOT23, 3-Leads, Body 2,92x2,37mm, Pitch 0,95mm, IPC Medium Density"
  rect 1x0.6 smd: D(1.2,0) G(-1.2,0.95) S(-1.2,-0.95)
  silkscreen extent -0.3,-1.5 0.7,1.5, body extent -1.32,-1.52 1.32,1.52, height 1.1
SOT230P700X180-4N [mm] "SOT223, 4-Leads, Body 6,50x7,00mm (avg), Pitch 2,30mm, IPC Medium Density"
  rect 2.1x0.9 smd: 1(-2.95,2.3) 2(-2.95,0) 3(-2.95,-2.3)
  rect 2.1x3.2 smd: 4(2.95,0)
  silkscreen extent -3.07,-3.35 1.6,3.43, body extent -3.5,-3.35 3.5,3.35, height 1.8
SSOP-20_L [mm] "SOP, 20-Leads, Body 8.6x3.9mm, Pitch 0.635mm, IPC High Density"
  oval 1.95x0.4 smd: 1(-2.325,2.857) 2(-2.325,2.222) 3(-2.325,1.587) 4(-2.325,0.952) 5(-2.325,0.317) 6(-2.325,-0.318) 7(-2.325,-0.953) 8(-2.325,-1.588) 9(-2.325,-2.222) 10(-2.325,-2.857) 11(2.325,-2.857) 12(2.325,-2.222) 13(2.325,-1.587) 14(2.325,-0.952) 15(2.325,-0.317) 16(2.325,0.318) 17(2.325,0.953) 18(2.325,1.588) 19(2.325,2.222) 20(2.325,2.857)
  silkscreen extent -2.45,-4.35 1,4.35, body extent -1.99,-4.37 1.99,4.37, height 1.76
STM-LQFP100_N [mm] "Thin QFP, 100-Leads, Body 14x14mm, Pitch 0.5mm, IPC Medium Density"
  oval 1.8x0.3 smd: 1(-7.55,6) 2(-7.55,5.5) 3(-7.55,5) 4(-7.55,4.5) 5(-7.55,4) 6(-7.55,3.5) 7(-7.55,3) 8(-7.55,2.5) 9(-7.55,2) 10(-7.55,1.5) 11(-7.55,1) 12(-7.55,0.5) 13(-7.55,0) 14(-7.55,-0.5) 15(-7.55,-1) 16(-7.55,-1.5) 17(-7.55,-2) 18(-7.55,-2.5) 19(-7.55,-3) 20(-7.55,-3.5) 21(-7.55,-4) 22(-7.55,-4.5) 23(-7.55,-5) 24(-7.55,-5.5) 25(-7.55,-6) 51(7.55,-6) 52(7.55,-5.5) 53(7.55,-5) 54(7.55,-4.5) 55(7.55,-4) 56(7.55,-3.5) 57(7.55,-3) 58(7.55,-2.5) 59(7.55,-2) 60(7.55,-1.5) 61(7.55,-1) 62(7.55,-0.5) 63(7.55,0) 64(7.55,0.5) 65(7.55,1) 66(7.55,1.5) 67(7.55,2) 68(7.55,2.5) 69(7.55,3) 70(7.55,3.5) 71(7.55,4) 72(7.55,4.5) 73(7.55,5) 74(7.55,5.5) 75(7.55,6)
  oval 0.3x1.8 smd: 26(-6,-7.55) 27(-5.5,-7.55) 28(-5,-7.55) 29(-4.5,-7.55) 30(-4,-7.55) 31(-3.5,-7.55) 32(-3,-7.55) 33(-2.5,-7.55) 34(-2,-7.55) 35(-1.5,-7.55) 36(-1,-7.55) 37(-0.5,-7.55) 38(0,-7.55) 39(0.5,-7.55) 40(1,-7.55) 41(1.5,-7.55) 42(2,-7.55) 43(2.5,-7.55) 44(3,-7.55) 45(3.5,-7.55) 46(4,-7.55) 47(4.5,-7.55) 48(5,-7.55) 49(5.5,-7.55) 50(6,-7.55) 76(6,7.55) 77(5.5,7.55) 78(5,7.55) 79(4.5,7.55) 80(4,7.55) 81(3.5,7.55) 82(3,7.55) 83(2.5,7.55) 84(2,7.55) 85(1.5,7.55) 86(1,7.55) 87(0.5,7.55) 88(0,7.55) 89(-0.5,7.55) 90(-1,7.55) 91(-1.5,7.55) 92(-2,7.55) 93(-2.5,7.55) 94(-3,7.55) 95(-3.5,7.55) 96(-4,7.55) 97(-4.5,7.55) 98(-5,7.55) 99(-5.5,7.55) 100(-6,7.55)
  silkscreen extent -7.68,-6.25 6.25,6.82, body extent -7,-7 7,7, height 1.6
STM-LQFP176_N [mm] "Thin QFP, 176-Leads, Body 24x24mm, Pitch 0.5mm, IPC Medium Density"
  oval 1.8x0.3 smd: 1(-12.55,10.75) 2(-12.55,10.25) 3(-12.55,9.75) 4(-12.55,9.25) 5(-12.55,8.75) 6(-12.55,8.25) 7(-12.55,7.75) 8(-12.55,7.25) 9(-12.55,6.75) 10(-12.55,6.25) 11(-12.55,5.75) 12(-12.55,5.25) 13(-12.55,4.75) 14(-12.55,4.25) 15(-12.55,3.75) 16(-12.55,3.25) 17(-12.55,2.75) 18(-12.55,2.25) 19(-12.55,1.75) 20(-12.55,1.25) 21(-12.55,0.75) 22(-12.55,0.25) 23(-12.55,-0.25) 24(-12.55,-0.75) 25(-12.55,-1.25) 26(-12.55,-1.75) 27(-12.55,-2.25) 28(-12.55,-2.75) 29(-12.55,-3.25) 30(-12.55,-3.75) 31(-12.55,-4.25) 32(-12.55,-4.75) 33(-12.55,-5.25) 34(-12.55,-5.75) 35(-12.55,-6.25) 36(-12.55,-6.75) 37(-12.55,-7.25) 38(-12.55,-7.75) 39(-12.55,-8.25) 40(-12.55,-8.75) 41(-12.55,-9.25) 42(-12.55,-9.75) 43(-12.55,-10.25) 44(-12.55,-10.75) 89(12.55,-10.75) 90(12.55,-10.25) 91(12.55,-9.75) 92(12.55,-9.25) 93(12.55,-8.75) 94(12.55,-8.25) 95(12.55,-7.75) 96(12.55,-7.25) 97(12.55,-6.75) 98(12.55,-6.25) 99(12.55,-5.75) 100(12.55,-5.25) 101(12.55,-4.75) 102(12.55,-4.25) 103(12.55,-3.75) 104(12.55,-3.25) 105(12.55,-2.75) 106(12.55,-2.25) 107(12.55,-1.75) 108(12.55,-1.25) 109(12.55,-0.75) 110(12.55,-0.25) 111(12.55,0.25) 112(12.55,0.75) 113(12.55,1.25) 114(12.55,1.75) 115(12.55,2.25) 116(12.55,2.75) 117(12.55,3.25) 118(12.55,3.75) 119(12.55,4.25) 120(12.55,4.75) 121(12.55,5.25) 122(12.55,5.75) 123(12.55,6.25) 124(12.55,6.75) 125(12.55,7.25) 126(12.55,7.75) 127(12.55,8.25) 128(12.55,8.75) 129(12.55,9.25) 130(12.55,9.75) 131(12.55,10.25) 132(12.55,10.75)
  oval 0.3x1.8 smd: 45(-10.75,-12.55) 46(-10.25,-12.55) 47(-9.75,-12.55) 48(-9.25,-12.55) 49(-8.75,-12.55) 50(-8.25,-12.55) 51(-7.75,-12.55) 52(-7.25,-12.55) 53(-6.75,-12.55) 54(-6.25,-12.55) 55(-5.75,-12.55) 56(-5.25,-12.55) 57(-4.75,-12.55) 58(-4.25,-12.55) 59(-3.75,-12.55) 60(-3.25,-12.55) 61(-2.75,-12.55) 62(-2.25,-12.55) 63(-1.75,-12.55) 64(-1.25,-12.55) 65(-0.75,-12.55) 66(-0.25,-12.55) 67(0.25,-12.55) 68(0.75,-12.55) 69(1.25,-12.55) 70(1.75,-12.55) 71(2.25,-12.55) 72(2.75,-12.55) 73(3.25,-12.55) 74(3.75,-12.55) 75(4.25,-12.55) 76(4.75,-12.55) 77(5.25,-12.55) 78(5.75,-12.55) 79(6.25,-12.55) 80(6.75,-12.55) 81(7.25,-12.55) 82(7.75,-12.55) 83(8.25,-12.55) 84(8.75,-12.55) 85(9.25,-12.55) 86(9.75,-12.55) 87(10.25,-12.55) 88(10.75,-12.55) 133(10.75,12.55) 134(10.25,12.55) 135(9.75,12.55) 136(9.25,12.55) 137(8.75,12.55) 138(8.25,12.55) 139(7.75,12.55) 140(7.25,12.55) 141(6.75,12.55) 142(6.25,12.55) 143(5.75,12.55) 144(5.25,12.55) 145(4.75,12.55) 146(4.25,12.55) 147(3.75,12.55) 148(3.25,12.55) 149(2.75,12.55) 150(2.25,12.55) 151(1.75,12.55) 152(1.25,12.55) 153(0.75,12.55) 154(0.25,12.55) 155(-0.25,12.55) 156(-0.75,12.55) 157(-1.25,12.55) 158(-1.75,12.55) 159(-2.25,12.55) 160(-2.75,12.55) 161(-3.25,12.55) 162(-3.75,12.55) 163(-4.25,12.55) 164(-4.75,12.55) 165(-5.25,12.55) 166(-5.75,12.55) 167(-6.25,12.55) 168(-6.75,12.55) 169(-7.25,12.55) 170(-7.75,12.55) 171(-8.25,12.55) 172(-8.75,12.55) 173(-9.25,12.55) 174(-9.75,12.55) 175(-10.25,12.55) 176(-10.75,12.55)
  silkscreen extent -12.67,-11.25 11.25,11.57, body extent -12,-12 12,12, height 1.6
Testpoint_D1V [mm] "Testpunkt, Via, rund 1mm"
  round 1 smd paste-0.5: 1(0,0)
  round 0.9 hole 0.5 mask-0.15: 1(0,0)
Testpoint_S1 [mm] "Testpunkt, quardratisch 1mm"
  rrect20% 1x1 smd paste-0.5: 1(0,0)
TSOP80P1180X120-54N [mm] "TSOP, 54-Leads, Body 22,22x10,16mm, Pitch 0,80mm, IPC Medium Density"
  rect 1.2x0.55 smd: 1(-5.75,10.4) 2(-5.75,9.6) 3(-5.75,8.8) 4(-5.75,8) 5(-5.75,7.2) 6(-5.75,6.4) 7(-5.75,5.6) 8(-5.75,4.8) 9(-5.75,4) 10(-5.75,3.2) 11(-5.75,2.4) 12(-5.75,1.6) 13(-5.75,0.8) 14(-5.75,0) 15(-5.75,-0.8) 16(-5.75,-1.6) 17(-5.75,-2.4) 18(-5.75,-3.2) 19(-5.75,-4) 20(-5.75,-4.8) 21(-5.75,-5.6) 22(-5.75,-6.4) 23(-5.75,-7.2) 24(-5.75,-8) 25(-5.75,-8.8) 26(-5.75,-9.6) 27(-5.75,-10.4) 28(5.75,-10.4) 29(5.75,-9.6) 30(5.75,-8.8) 31(5.75,-8) 32(5.75,-7.2) 33(5.75,-6.4) 34(5.75,-5.6) 35(5.75,-4.8) 36(5.75,-4) 37(5.75,-3.2) 38(5.75,-2.4) 39(5.75,-1.6) 40(5.75,-0.8) 41(5.75,0) 42(5.75,0.8) 43(5.75,1.6) 44(5.75,2.4) 45(5.75,3.2) 46(5.75,4) 47(5.75,4.8) 48(5.75,5.6) 49(5.75,6.4) 50(5.75,7.2) 51(5.75,8) 52(5.75,8.8) 53(5.75,9.6) 54(5.75,10.4)
  silkscreen extent -5.87,-11.2 4.75,11.35, body extent -5.88,-11.2 5.88,11.2, height 1.2
TSOP95P280X110-6N [mm] "TSOP, 6-Leads, Body 2,90x1,50mm, Pitch 0,95mm, IPC Medium Density"
  oval 1x0.5 smd: 1(-1.35,0.95) 2(-1.35,0) 3(-1.35,-0.95) 4(1.35,-0.95) 5(1.35,0) 6(1.35,0.95)
  silkscreen extent -1.47,-1.55 0.45,1.87, body extent -1.38,-1.55 1.38,1.55, height 1.1
TXC-7B-4_V [mm] "SMD, 4-Leads, Body 5x3.2mm, Pitch 3.7mm"
  rect 2x1.2 smd: 1(-1.85,-1.1) 2(1.85,-1.1) 3(1.85,1.1) 4(-1.85,1.1)
  silkscreen extent -2.5,-2.37 2.5,1.6, body extent -2.5,-1.6 2.5,1.6, height 1.05